# Allegro board reComputer J202_V1.0.brd (continued)
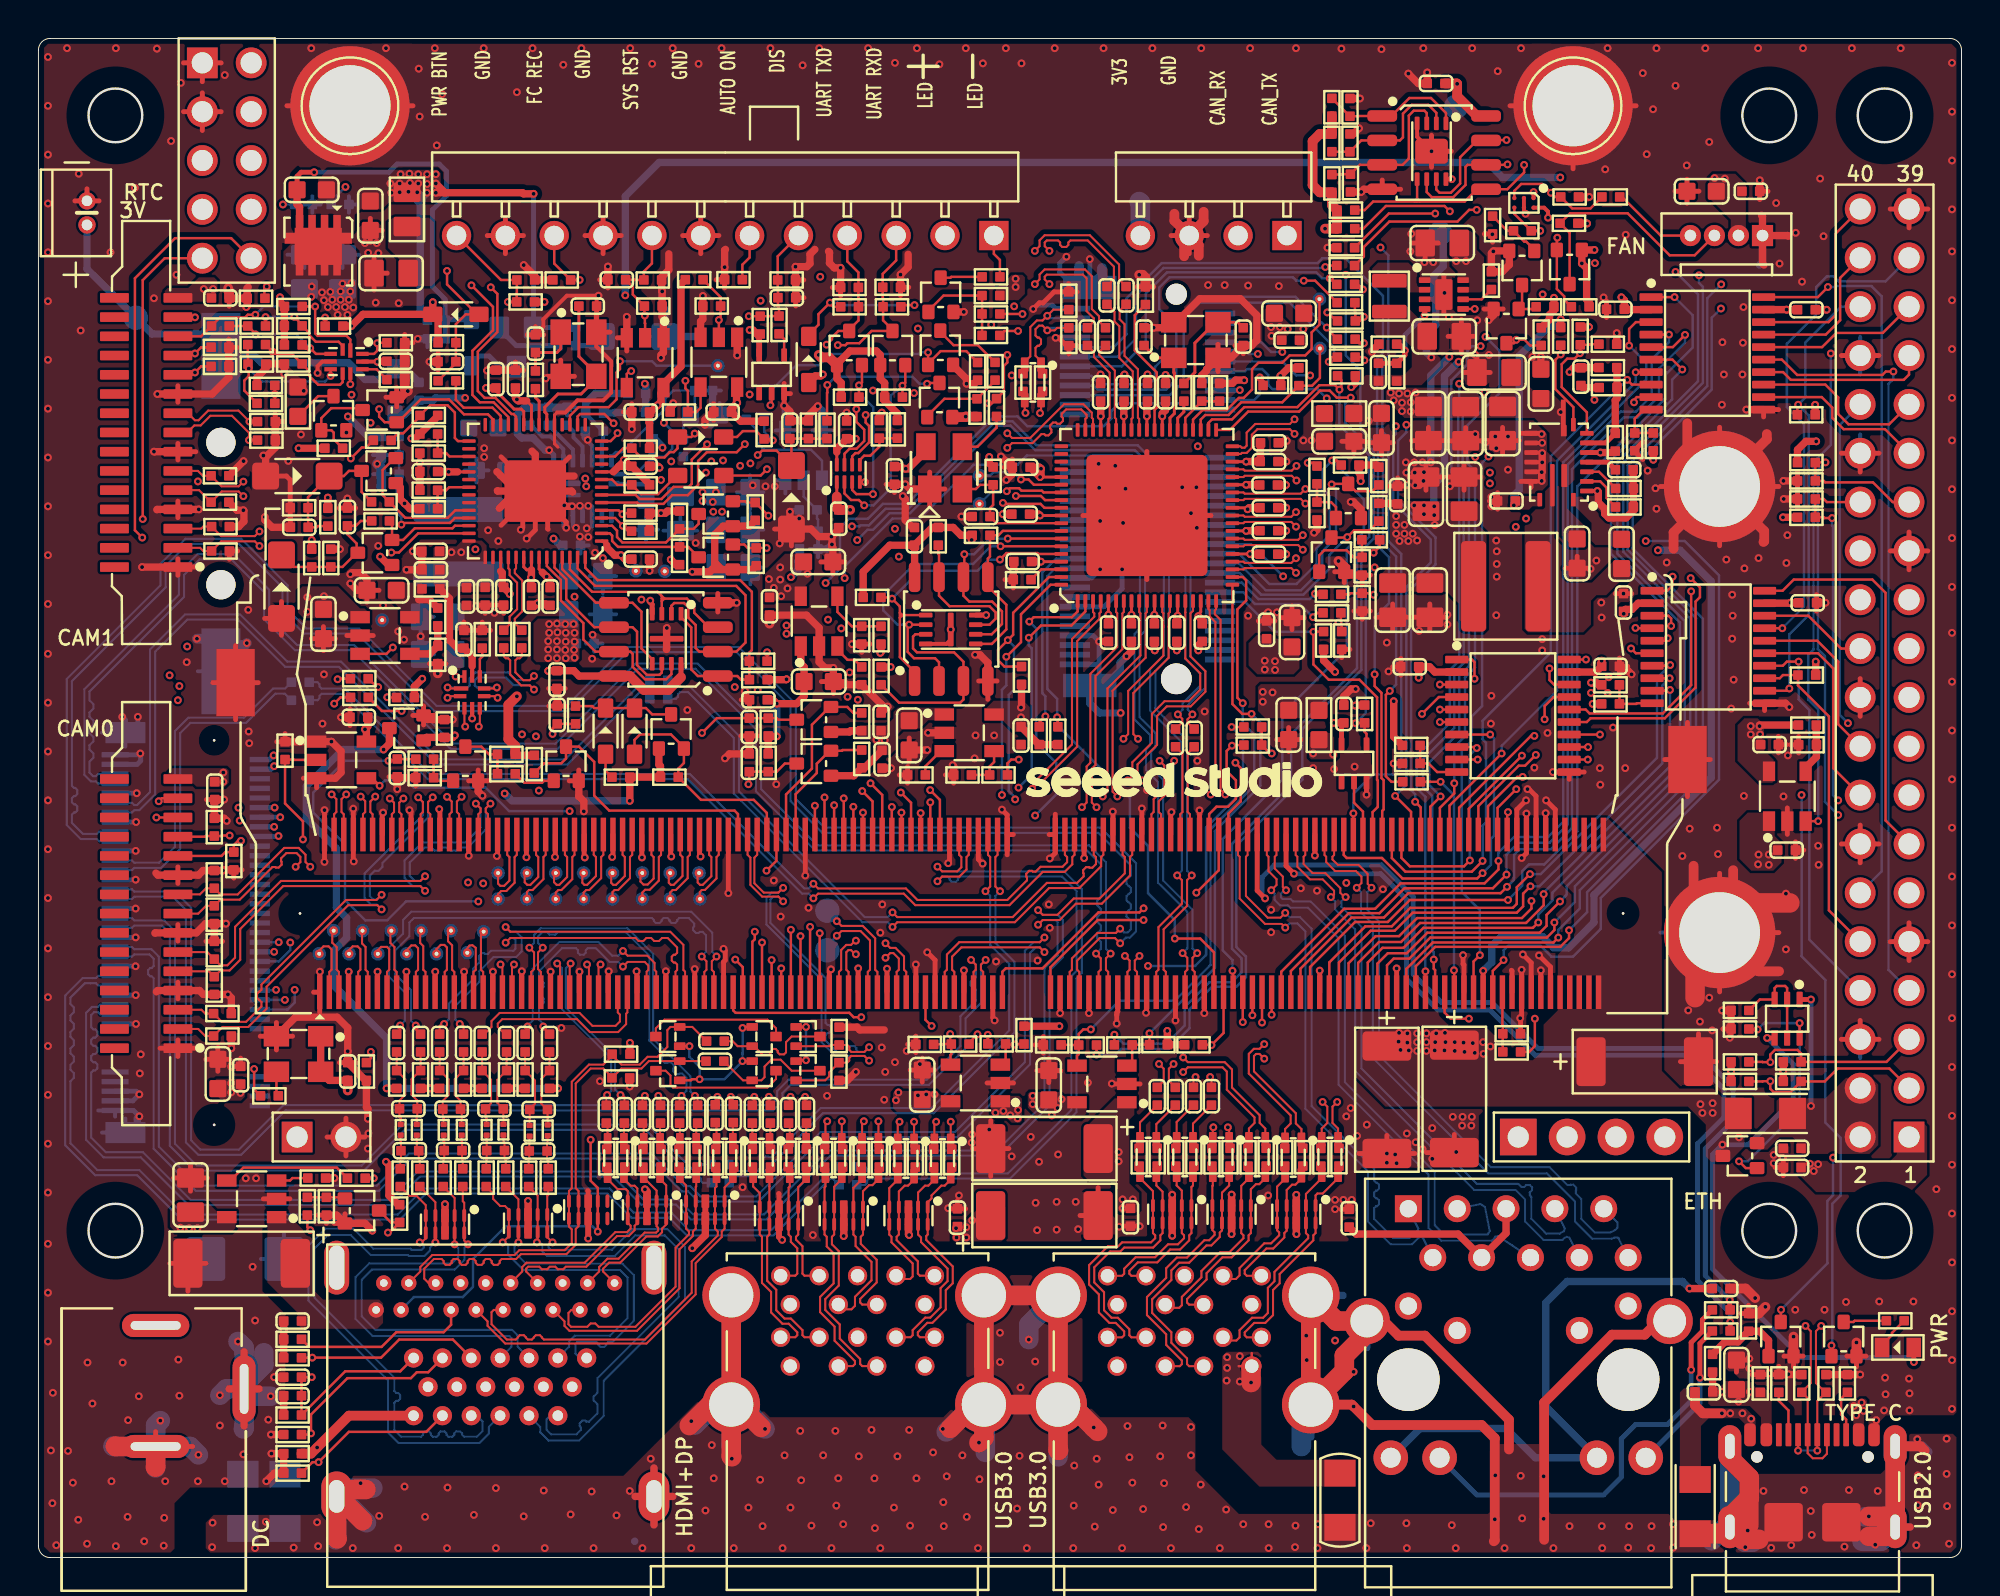
[diagram p0: board, top side]
## Copper pours and planes (outline as drawn; the poured copper is in the pictures) (continued)
GND on PWR05: 19.44,17.23 9.71,17.23 9.18,16.7 0.52,16.7 0.29,16.47 0.29,0.57 0.6,0.26 6.87,0.26 7.07,0.46 7.07,2.83 7.89,3.64 13.75,3.64 13.96,3.84 13.96,5.16 14.44,5.65 29.1,5.65 33.87,10.42 33.87,14.56 34.89,15.58 38.7,15.58 39.2,15.07 39.2,10.04 40.5,8.74 45.81,8.74 46.88,9.81 46.88,14.61 48.12,15.86 55.71,15.86 56.27,15.3 56.27,10.57 57.97,8.87 63.16,8.87 63.87,9.58 63.87,14.59 65.77,16.49 65.77,17.58 65.09,18.27 41.11,18.27 39.13,16.29 33.67,16.29 32.73,17.23 30.21,17.23 29.37,18.07 20.28,18.07 ; 2 cut-outs
GND_SHD on TOP: 75.48,2.37 75.48,5.52 75.86,5.9 78.37,5.9 78.52,5.75 78.52,2.39 78.65,2.27 84.77,2.27 85.1,1.94 88.07,1.94 89.27,3.13 89.27,4.17 89.45,4.35 95.8,4.35 96.58,5.14 96.58,6.03 96.99,6.43 99.55,6.43 99.73,6.26 99.73,0.54 99.45,0.26 8.93,0.26 8.7,0.49 8.7,1.81 9.11,2.22 14.52,2.22 14.72,2.42 14.72,3.66 15.3,4.25 30.42,4.25 34.58,8.41 36.92,8.41 38.04,7.3 47.05,7.3 48.25,8.49 48.25,13.14 49.8,14.69 52.95,14.69 54.29,13.34 54.29,8.21 55.21,7.3 59.8,7.3 60.16,6.94 60.16,4.53 62.42,2.27 75.37,2.27
GND_SHD on BOTTOM: 8.93,0.26 96.53,0.26 96.54,0.27 96.56,0.26 99.45,0.26 99.73,0.54 99.73,6.26 99.55,6.43 96.38,6.43 96.05,6.1 96.05,4.6 95.8,4.35 89.47,4.35 88.43,5.39 88.4,5.39 88.25,5.24 88.25,2.06 88.12,1.94 85.1,1.94 84.77,2.27 68.34,2.27 67.78,2.83 67.78,6.43 69.3,7.96 69.3,10.45 70.24,11.39 70.24,12.38 67.83,14.79 66.05,14.79 65.04,13.77 65.04,2.62 64.68,2.27 62.42,2.27 60.16,4.53 60.16,6.94 59.8,7.3 55.21,7.3 54.29,8.21 54.29,14 53.48,14.82 53.17,14.82 53.05,14.69 49.11,14.69 48.25,13.82 48.25,8.49 47.05,7.3 38.04,7.3 37.27,8.06 37.17,8.06 36.89,8.34 34.51,8.34 30.42,4.25 15.3,4.25 14.77,3.72 14.77,2.47 14.52,2.22 9.11,2.22 8.7,1.81 8.7,0.49
GND_SHD on GND02: 8.93,0.26 99.45,0.26 99.73,0.54 99.73,6.26 99.55,6.43 96.51,6.43 96.07,6 96.07,4.63 95.8,4.35 89.45,4.35 89.39,4.3 89.39,3.31 88.02,1.94 85.1,1.94 84.77,2.27 78.65,2.27 78.52,2.39 78.52,5.75 78.37,5.9 75.83,5.9 75.48,5.54 75.48,2.37 75.37,2.27 62.42,2.27 60.16,4.53 60.16,6.94 59.8,7.3 55.21,7.3 54.29,8.21 54.29,13.65 53.25,14.69 49.9,14.69 48.25,13.04 48.25,8.49 47.05,7.3 38.04,7.3 36.82,8.52 34.68,8.52 30.42,4.25 16.5,4.25 16.34,4.4 15.63,4.4 15.1,3.87 15.1,2.8 14.52,2.22 9.11,2.22 8.7,1.81 8.7,0.49
GND_SHD on LAY3: 8.93,0.26 99.45,0.26 99.73,0.54 99.73,6.26 99.55,6.43 96.48,6.43 96.23,6.18 96.23,4.78 95.8,4.35 89.45,4.35 89.37,4.27 89.37,3.13 88.18,1.94 85.1,1.94 84.77,2.27 78.65,2.27 78.52,2.39 78.52,5.82 78.45,5.9 75.86,5.9 75.48,5.52 75.48,2.37 75.37,2.27 62.42,2.27 60.16,4.53 60.16,6.94 59.8,7.3 55.21,7.3 54.29,8.21 54.29,13.44 53.05,14.69 49.69,14.69 48.25,13.24 48.25,8.49 47.05,7.3 38.04,7.3 36.82,8.52 34.68,8.52 30.42,4.25 16.5,4.25 16.34,4.4 15.63,4.4 15.1,3.87 15.1,2.8 14.52,2.22 9.11,2.22 8.7,1.81 8.7,0.49
GND_SHD on LAY4: 8.93,0.26 99.45,0.26 99.73,0.54 99.73,6.26 99.55,6.43 96.43,6.43 96.05,6.05 96.05,4.6 95.8,4.35 89.47,4.35 88.4,5.42 88.4,5.87 87.59,6.69 86.32,6.69 85.38,7.63 85.38,9.94 85.69,10.24 85.69,11.92 85.31,12.3 84.06,12.3 83.68,11.92 83.68,7.25 84.8,6.13 84.8,2.62 84.44,2.27 68.34,2.27 67.78,2.83 67.78,6.43 69.3,7.96 69.3,10.45 70.24,11.39 70.24,12.38 67.83,14.79 65.87,14.79 65.04,13.95 65.04,2.62 64.68,2.27 62.42,2.27 60.16,4.53 60.16,6.94 59.8,7.3 55.21,7.3 54.29,8.21 54.29,14.43 54.04,14.69 48.86,14.69 48.25,14.08 48.25,8.49 47.05,7.3 38.04,7.3 37.38,7.96 37.38,8.08 36.69,8.77 34.94,8.77 30.42,4.25 15.53,4.25 15.18,3.89 15.18,2.88 14.52,2.22 9.11,2.22 8.7,1.81 8.7,0.49
GND_SHD on PWR05: 8.93,0.26 99.45,0.26 99.73,0.54 99.73,6.26 99.55,6.43 96.41,6.43 96.05,6.08 96.05,4.6 95.8,4.35 89.47,4.35 88.35,5.47 88.28,5.47 88.23,5.42 88.23,2.04 88.12,1.94 85.1,1.94 84.77,2.27 68.34,2.27 67.78,2.83 67.78,6.43 69.3,7.96 69.3,10.45 70.24,11.39 70.24,12.38 67.83,14.79 66.81,14.79 65.04,13.01 65.04,2.62 64.68,2.27 62.42,2.27 60.16,4.53 60.16,6.94 59.8,7.3 55.21,7.3 54.29,8.21 54.29,13.57 53.17,14.69 49.47,14.69 48.25,13.47 48.25,8.49 47.05,7.3 38.04,7.3 36.82,8.52 34.68,8.52 30.42,4.25 16.5,4.25 16.34,4.4 15.63,4.4 15.1,3.87 15.1,2.8 14.52,2.22 9.11,2.22 8.7,1.81 8.7,0.49
VCC_3V3_SQ1 on BOTTOM: 27.06,52.36 27.32,52.36 27.47,52.51 27.47,52.69 26.68,53.47 26.68,54.59 26.61,54.67 26.33,54.67 26.25,54.59 26.25,53.17
VCC_3V3_SQ2 on TOP: 76.54,55.1 76.54,54.59 76.64,54.49 77.51,54.49 77.69,54.67 78.04,54.67 78.14,54.77 78.14,55 77.94,55.2 76.64,55.2
VDD_1V05 on TOP: 69.61,65.08 71.13,65.08 71.97,64.24 72.48,64.24 72.66,64.07 72.66,62.62 72.91,62.36 72.91,61.96 71.92,60.97 70.07,60.97 69.94,60.84 69.94,60.13 70.24,59.82 70.24,59.19 69.94,58.88 68.24,58.88 68.01,59.11 68.01,60.03 68.19,60.21 68.39,60.21 68.39,60.87 69.02,61.5 71.01,61.5 71.41,61.91 71.41,62.95 70.9,63.46 69.66,63.46 69.46,63.66 69.46,64.93
VDD_1V05 on LAY3: 68.92,59.14 69.13,59.34 69.4,59.34 70.57,58.17 72.1,58.17 72.43,58.5 72.43,61.86 72.2,62.08 72.2,62.57 72.33,62.69 72.91,62.69 73.52,62.08 73.52,58.05 72.76,57.28 69.79,57.28 68.92,58.15
VDD_1V05_HUB on TOP: 67.02,57.56 67.3,57.84 67.3,59.57 66.97,59.9 66.36,59.9 65.77,59.32 65.77,58.43 65.47,58.12 65.47,57.69 65.59,57.56
VDD_1V05_HUB on BOTTOM: 62.52,57.26 62.52,53.27 62.75,53.04 64.35,53.04 64.66,53.35 64.66,56.47 65.42,57.23 66.41,57.23 66.66,57.49 66.66,59.39 66.65,59.41 66.65,59.99 66.26,60.38 63.74,60.38 62.75,59.39 59.42,59.39 59.12,59.7 56.32,59.7 56.12,59.49 56.12,58.5 56.4,58.22 57.09,58.22 57.77,57.54 62.24,57.54
VDD_1V05_HUB on LAY4: 54.6,48.75 59.35,48.75 59.55,48.95 59.55,49.54 63.08,53.07 63.08,54.62 62.98,54.72 52.06,54.72 51.68,54.34 51.68,52.84 53.78,50.73 53.78,49.56
VDD_1V8 on TOP: 90.23,40.37 90.23,41.49 89.72,41.99 89.72,43.31 89.39,43.64 88.71,43.64 88.35,43.29 88.35,41.43 89.5,40.29 90.16,40.29
VDD_1V8 on TOP: 49.97,65.39 50.96,65.39 51.29,65.72 51.29,66.58 51.17,66.71 50.61,66.71 50.46,66.56 50.46,66.33 50.3,66.17 49.97,66.17 49.8,66 49.8,65.56
VDD_1V8 on LAY3: 95.52,42.48 81.06,42.48 80.28,43.26 80.28,47.91 81.67,49.31 88.28,49.31 90.49,51.52 90.49,57.74 89.52,58.71 86.07,58.71 84.14,56.78 83.25,56.78 82.66,57.36 82.66,63.71 80.1,66.28 80.1,68.13 80.4,68.43 85.41,68.43 86.07,67.77 92.39,67.77 96.68,63.48 96.68,43.64
VDD_1V8 on LAY4: 72.55,48.57 71.89,47.91 70.07,47.91 68.64,46.49 65.34,46.49 65.01,46.16 65.01,43.59 65.57,43.03 69.38,43.03 72.4,46.06 74.79,46.06 76.95,43.9 81.6,43.9 81.93,44.23 81.93,45.85 79.21,48.57
VDD_1V8 on LAY4: 81.88,66.96 79.92,66.96 79.51,67.37 79.51,68.66 79.16,69.02 78.57,69.02 76.9,67.34 71.03,67.34 69.96,68.41 66.94,68.41 65.34,70.01 57.06,70.01 55.83,68.78 55.83,67.43 54.22,65.82 50.61,65.82 50.48,65.95 50.48,72.17 55.43,77.12 73.9,77.12 74.33,76.69 74.33,72.14 72.25,70.06 72.25,69.78 72.48,69.55 73.47,69.55 75.4,71.48 81.8,71.48 82.36,70.92 82.36,67.44
VDD_3V3_DP on TOP: 17.72,13.42 14.79,13.42 14.29,13.93 14.29,16.52 12.79,18.02 12.1,18.02 11.9,17.81 11.9,14.31 13.47,12.73 13.47,12.12 13.7,11.89 17.61,11.89 17.92,12.2 17.92,13.22
VDD_3V3_HDMI on TOP: 47.41,44.2 44.69,44.2 44.46,43.97 44.46,43.64 44.11,43.29 42.73,43.29 42.58,43.14 42.58,42.7 42.73,42.55 43.19,42.55 43.45,42.3 43.45,41.92 43.62,41.74 44.28,41.74 44.59,42.04 44.59,42.73 44.97,43.11 45.83,43.11 46.27,43.54 47.38,43.54 47.59,43.75 47.59,44.03
VDD_3V3_HUB on TOP: 66.76,45.42 63.56,45.42 63.41,45.27 63.41,44.03 63.79,43.64 66.84,43.64 67.02,43.82 67.02,45.17
VDD_3V3_HUB on BOTTOM: 52.23,51.54 51.5,51.54 51.29,51.75 51.29,55.1 51.55,55.35 51.55,56.62 51.75,56.83 52.56,56.83 52.72,56.67 52.72,52.03
VDD_3V3_HUB on LAY3: 60.11,49.11 60.11,48.8 60.21,48.7 60.49,48.7 61.81,47.38 61.81,45.17 62.85,44.13 64.4,44.13 64.68,44.41 64.68,49.61 63.82,50.48 63.82,60.69 63.11,61.4 59.45,61.4 58.23,60.18 58.23,59.11 60.11,57.23 60.11,51.57 60.69,50.99 60.69,49.69
VDD_3V3_HUB on LAY4: 64.4,45.4 62.67,45.4 62.27,44.99 62.27,44.38 63.46,43.19 64.58,43.19 64.78,43.39 64.78,45.02
VDD_3V3_HUB on LAY4: 51.96,55.96 57.92,55.96 59.22,57.26 60.34,57.26 60.54,57.46 60.54,59.21 60.21,59.54 58.2,59.54 57.37,58.71 53.3,58.71 51.83,57.23 51.83,56.09
VDD_3V3_SYS on TOP: 6.82,65.31 8.98,65.31 9.23,65.56 9.23,65.77 9.31,65.84 9.31,66.4 9.13,66.58 8.34,66.58 7.78,66.02 6.72,66.02 6.57,65.87 6.57,65.56
VDD_3V3_SYS on TOP: 65.34,47.78 64.38,47.78 64.2,47.96 63.33,47.96 62.93,47.56 62.93,46.39 63.39,45.93 65.26,45.93 65.57,46.24 65.57,47.56
VDD_3V3_SYS on TOP: 10.17,18.02 9.26,18.02 8.85,18.42 7.2,18.42 6.84,18.07 6.84,17.2 7.12,16.92 10.05,16.92 10.25,17.13 10.25,17.94
VDD_3V3_SYS on TOP: 66.31,42.88 67.14,42.88 67.37,42.65 67.37,42.04 67.55,41.87 67.55,41.64 67.42,41.51 66.18,41.51 66.08,41.61 66.08,42.65
VDD_3V3_SYS on TOP: 64.76,63.08 63.99,63.08 63.77,63.3 63.77,64.9 64.02,65.16 64.63,65.16 64.73,65.06 64.73,64.47 65.16,64.04 65.16,63.76 64.91,63.51 64.91,63.23
VDD_3V3_SYS on TOP: 73.49,68.79 73.49,67.19 73.8,66.89 73.8,66.38 73.88,66.3 74.38,66.3 74.41,66.28 74.41,66.1 74.38,66.07 73.85,66.07 73.8,66.02 73.8,65.84 73.85,65.79 74.99,65.79 75.17,65.97 75.17,67.62 74.79,68 74.79,68.66 74.46,68.99 73.7,68.99
VDD_3V3_SYS on TOP: 10.58,24.9 9.26,24.9 9,24.65 9,24.29 9.54,23.76 10.53,23.76 10.73,23.96 10.73,24.75
VDD_3V3_SYS on TOP: 13.93,60.43 13.04,60.43 12.76,60.71 12.76,61.2 12.56,61.4 11.57,61.4 11.47,61.5 11.47,61.7 11.59,61.83 11.59,62.11 11.75,62.26 12.86,62.26 13.02,62.11 13.02,61.93 14.03,60.92 14.03,60.54
VDD_3V3_SYS on TOP: 96.3,20.63 96.63,20.96 96.63,22.44 96.86,22.66 97.95,22.66 98.21,22.41 98.21,19.9 97.32,19.01 92.44,19.01 91.4,20.05 91.4,20.53 91.5,20.63
VDD_3V3_SYS on TOP: 9.77,41.05 6.97,41.05 6.77,40.85 6.77,40.49 7.02,40.24 8.06,40.24 8.22,40.09 9.69,40.09 9.89,40.29 9.89,40.93
VDD_3V3_SYS on TOP: 75.12,48.11 74.54,48.11 73.88,48.78 73.88,49.59 73.24,50.22 70.17,50.22 69.84,50.55 69.84,51.16 70.27,51.59 70.27,54.82 70.4,54.95 74.76,54.95 74.97,54.74 74.97,53.6 75.3,53.27 75.3,48.29
VDD_3V3_SYS on TOP: 51.55,43.11 51.55,44.23 51.22,44.56 49.67,44.56 49.24,44.13 49.24,43.77 49.49,43.52 50.15,43.52 50.74,42.93 51.37,42.93
VDD_3V3_SYS on TOP: 90.03,38.74 88.89,38.74 88.45,38.31 88.45,36.33 89.06,35.72 90.21,35.72 90.64,36.15 90.64,37.17 90.28,37.52 90.28,38.49
VDD_3V3_SYS on BOTTOM: 13.04,41.94 10.07,41.94 9.77,41.64 9.26,41.64 9.11,41.49 9.11,37.73 9.77,37.07 12.92,37.07 13.32,37.47 13.32,41.66
VDD_3V3_SYS on BOTTOM: 73.52,67.27 73.52,69.45 73.09,69.88 58.36,69.88 58.08,69.6 58.08,68.13 57.92,67.98 56.78,67.98 56.58,68.18 56.58,71.08 57.59,72.09 74.79,72.09 75.75,71.13 75.75,69.73 75.2,69.17 75.2,67.32 74.97,67.09 73.7,67.09
VDD_3V3_SYS on BOTTOM: 61,46.84 62.24,46.84 62.29,46.9 62.29,47.02 62.27,47.05 60.82,47.05 60.72,47.15 60.72,47.25 60.79,47.33 64.45,47.33 64.63,47.15 64.63,46.08 64.4,45.85 61.45,45.85 60.9,46.41 60.9,46.74
VDD_3V3_SYS on BOTTOM: 70.75,54.39 70.5,54.39 70.34,54.24 70.34,52.92 70.75,52.51 71.64,52.51 71.89,52.76 71.89,53.25
VDD_3V3_SYS on BOTTOM: 62.29,64.07 60.82,64.07 60.74,64.14 60.74,64.27 60.82,64.35 62.24,64.35 62.27,64.37 62.27,64.52 62.24,64.55 60.79,64.55 60.69,64.65 60.69,64.96 60.74,65.01 64.96,65.01 65.32,64.65 65.32,63.28 65.09,63.05 63.89,63.05 63.44,63.51 62.85,63.51
VDD_3V3_SYS on BOTTOM: 11.77,24.62 10.98,24.62 10.65,24.95 9.77,24.95 9.61,24.8 9.61,23.76 10.25,23.12 11.77,23.12 11.92,23.27 11.92,23.55 11.85,23.63 11.01,23.63 10.98,23.65 10.98,23.86 11.01,23.88 11.82,23.88 11.9,23.96 11.9,24.06 11.82,24.14 11.01,24.14 10.98,24.16 10.98,24.34 11.01,24.37 11.77,24.37 11.85,24.44 11.85,24.54
VDD_3V3_SYS on BOTTOM: 72.66,54.97 71.46,54.97 71.34,54.85 71.34,54.57 72.43,53.47 72.71,53.47 72.83,53.6 72.83,54.8
VDD_3V3_SYS on LAY4: 72.53,54.9 70.7,54.9 70.17,54.36 70.17,52.99 70.57,52.59 71.94,52.59 72.94,53.58 72.94,54.49
VDD_3V3_SYS on LAY4: 62.17,46.77 64.5,46.77 64.71,46.57 64.71,45.85 64.48,45.63 62.09,45.63 61.91,45.8 61.91,46.51
VDD_3V3_SYS on PWR05: 2.43,71.74 1.03,70.34 1.03,20.91 2.27,19.67 5.04,19.67 6.62,18.09 6.62,17.13 6.87,16.87 8.98,16.87 9.51,17.41 19.37,17.41 20.38,18.42 29.37,18.42 30.34,17.46 32.8,17.46 33.79,16.47 39.05,16.47 41.03,18.45 66.48,18.45 70.4,14.54 83.78,14.54 88.79,19.54 93.26,19.54 98.89,25.18 98.89,70.47 97.73,71.64 89.22,71.64 88.58,71 88.58,26.5 87.44,25.36 71.16,25.36 70.07,26.45 70.07,48.7 72.86,51.49 72.86,61.42 64.86,69.43 57.09,69.43 48.27,60.61 48.27,48.75 47.1,47.58 30.37,47.58 28.94,46.16 19.11,46.16 16.83,48.45 14.13,48.45 13.42,49.16 13.42,56.24 12.84,56.83 12.84,57.87 13.25,58.27 16.85,58.27 17.18,58.61 17.18,61.42 18.2,62.44 18.2,71.56 18.02,71.74
VDD_5V_GPIO on TOP: 92.93,23.88 90.51,23.88 90.39,23.76 90.39,23.15 89.01,21.78 89.01,21.37 89.17,21.22 89.9,21.22 90.54,21.85 91.22,21.85 91.43,21.65 91.43,21.27 91.71,20.99 95.21,20.99 95.67,21.44 95.67,24.59 95.31,24.95 93.99,24.95
VDD_5V_SYS on TOP: 39.64,49.77 38.01,49.77 37.78,49.99 37.78,51.16 38.82,52.2 39.94,52.2 40.19,51.95 40.19,50.86 39.89,50.55 39.89,50.02
VDD_5V_SYS on TOP: 81.34,38.46 81.6,38.46 84.42,35.64 84.42,25.31 85.33,24.39 87.08,24.39 87.54,23.93 88.66,23.93 89.04,23.55 89.04,22.13 88.99,22.13 88.71,21.85 88.71,21.37 87.92,20.58 86.98,20.58 86.7,20.86 86.7,22.51 85.76,23.45 70.04,23.45 68.52,24.98 68.52,27.34 68.69,27.52 75.35,27.52 75.73,27.13 75.73,26.02 75.88,25.86 77.71,25.86 78.27,26.42 78.27,27.72 79.01,28.46 79.01,31.35 79.84,32.19 79.84,34.53 79.26,35.11 79.26,38.44 79.29,38.46 79.49,38.46 79.51,38.44 79.51,36.71 79.54,36.68 79.72,36.68 79.74,36.71 79.74,38.44 79.77,38.46 79.95,38.46 80,38.41 80,36.71 80.02,36.68 80.23,36.68 80.25,36.71 80.25,38.41 80.3,38.46 80.43,38.46 80.5,38.39 80.5,36.71 80.53,36.68 80.73,36.68 80.76,36.71 80.76,38.41 80.78,38.44 80.96,38.44 81.01,38.39 81.01,36.71 81.04,36.68 81.22,36.68 81.24,36.71 81.24,38.36
VDD_5V_SYS on TOP: 46.7,24.26 44.54,24.26 44.44,24.16 44.44,23.38 44.64,23.17 47.76,23.17 47.94,23.35 47.94,23.88 47.79,24.04 46.93,24.04
VDD_5V_SYS on TOP: 88.79,68.64 88.79,71.41 88.23,71.97 87.08,71.97 86.88,71.76 86.88,70.7 88,69.58 88,68.66 88.2,68.46 88.61,68.46
VDD_5V_SYS on TOP: 17.06,48.6 15.68,48.6 15.43,48.85 13.78,48.85 13.5,49.13 13.5,50.27 13.73,50.5 15.58,50.5 16.73,49.36 16.95,49.36 17.18,49.13 17.18,48.72
VDD_5V_SYS on TOP: 53.07,24.21 51.55,24.21 51.45,24.11 51.45,23.4 52.03,22.82 54.22,22.82 54.5,23.1 54.5,23.83 54.34,23.98 53.3,23.98
VDD_5V_SYS on TOP: 27.88,48.83 25.97,48.83 25.74,48.6 25.74,46.72 25.89,46.57 27.95,46.57 28.13,46.74 28.13,48.57
VDD_5V_SYS on BOTTOM: 86.98,22.71 86.14,22.71 85.46,23.4 76.69,23.4 74.54,25.56 71.39,25.56 70.55,26.4 70.55,27.49 70.88,27.82 75.73,27.82 77.69,25.86 85.69,25.86 87.34,24.21 87.34,23.07
VDD_5V_SYS on BOTTOM: 27.6,51.75 20.18,51.75 19.77,51.34 19.77,50.6 20.26,50.12 20.94,50.12 21.2,49.87 21.2,47.07 21.73,46.54 27.93,46.54 28.13,46.74 28.13,51.21
VDD_5V_SYS on GND02: 27.98,48.8 26.38,48.8 26.22,48.65 26.22,46.64 26.35,46.51 28,46.51 28.13,46.64 28.13,48.65
VDD_5V_SYS on GND02: 71.01,27.06 70.73,27.06 70.57,26.91 70.57,26.27 70.8,26.04 75.63,26.04 75.81,26.22 75.81,26.75 75.07,27.49 71.21,27.49 71.11,27.39 71.11,27.16
VDD_5V_SYS on GND02: 38.87,51.65 38.16,51.65 37.71,51.19 37.71,50.6 38.52,49.79 38.92,49.79 39.28,50.15 39.28,51.24
VDD_5V_SYS on LAY4: 26.48,46.46 39.46,46.46 40.37,47.38 40.37,51.39 40.02,51.75 35.14,51.75 33.57,50.17 27.67,50.17 27.43,49.93 27.43,49.68 25.97,48.22 25.97,46.97
VDD_5V_SYS on LAY4: 48.22,23.6 47.87,23.25 44.56,23.25 44.36,23.45 44.36,24.82 44.61,25.08 63.54,25.08 66.03,27.57 73.16,27.57 73.72,27.01 85.33,27.01 87.44,24.9 88.35,24.9 88.73,24.52 88.73,21.24 88.3,20.81 87.03,20.81 86.8,21.04 86.8,22.05 85.46,23.4 72.63,23.4 70.9,21.67 53.15,21.67 51.22,23.6
VDD_5V_SYS on PWR05: 78.22,71.91 87.85,71.91 88.33,71.43 88.33,26.68 87.29,25.64 71.26,25.64 70.32,26.58 70.32,48.5 73.11,51.29 73.11,61.78 64.96,69.93 56.86,69.93 47.97,61.04 47.97,49.13 46.67,47.84 30.24,47.84 28.82,46.41 19.19,46.41 16.98,48.62 14.19,48.62 13.65,49.16 13.65,56.29 13.25,56.7 13.25,57.84 13.45,58.05 16.93,58.05 17.23,57.74 17.23,51.9 17.54,51.59 26.89,51.59 27.37,51.11 27.37,49.74 27.55,49.56 28.05,49.56 29.63,51.14 31.15,51.14 34.25,54.24 34.25,60.23 33.06,61.42 25.79,61.42 25.34,61.88 25.34,75.9 26.61,77.17 72.96,77.17
VDD_DCIN on TOP: 16.09,68.38 13.19,68.38 12.74,67.93 12.74,65.97 13.14,65.56 14.36,65.56 14.64,65.29 14.64,64.75 15,64.4 16.17,64.4 16.57,64.8 16.57,67.9
VDD_DCIN on TOP: 79.21,53.14 79.21,56.93 78.57,57.56 78.57,58.48 77.79,59.27 71.03,59.27 70.07,60.23 70.07,60.66 70.24,60.84 73.52,60.84 73.65,60.71 75.86,60.71 76.09,60.94 76.09,62.08 76.36,62.36 77.23,62.36 77.38,62.21 77.38,61.04 77.71,60.71 78.55,60.71 79.44,59.82 79.44,58.17 79.87,57.74 79.87,56.04 79.49,55.66 79.49,54.57 80.4,53.65 80.4,52.84 80.1,52.53 79.82,52.53
VDD_DCIN on BOTTOM: 12.94,66.33 12.94,65.59 13.22,65.31 14.54,65.31 14.64,65.21 14.64,64.78 15.05,64.37 16.34,64.37 16.57,64.6 16.57,66.38 16.47,66.48 13.09,66.48
VDD_DCIN on BOTTOM: 32.85,57.31 32.6,57.06 32.6,56.45 32.5,56.34 31.46,56.34 31.28,56.17 30.8,56.17 30.59,55.96 29.65,55.96 29.27,56.34 27.14,56.34 26.81,56.01 25.84,56.01 24.85,57 23.99,57 23.84,56.85 23.84,56.01 24.27,55.58 26.91,55.58 27.06,55.73 28.18,55.73 29.27,54.64 34.23,54.64 34.68,54.19 34.68,51.04 34.91,50.81 35.83,50.81 36.03,51.01 36.03,56.09 36.46,56.52 37.02,56.52 37.27,56.78 37.27,57.18 37.15,57.31
VDD_DCIN on GND02: 16.5,66.45 14.13,66.45 13.83,66.15 13.83,65.31 14.92,64.22 16.47,64.22 16.73,64.47 16.73,66.23
VDD_DCIN on GND02: 71.69,60.87 70.24,60.87 70.07,60.69 70.07,60.15 70.83,59.39 71.56,59.39 71.84,59.67 71.84,60.71
VDD_DCIN on LAY3: 37.27,53.68 37.27,60.66 37.15,60.79 34.99,60.79 34.33,60.13 33.01,60.13 32.4,59.52 31.41,59.52 30.62,58.73 30.62,58.25 30.37,58 29.76,58 29.5,58.25 29.5,59.16 37.3,66.96 47.87,66.96 50.76,69.86 63.64,69.86 64.48,69.02 64.48,60.28 65.29,59.47 69.46,59.47 70.62,58.3 72.05,58.3 72.3,58.55 72.3,61.81 72.07,62.03 72.07,62.64 72.76,63.33 72.76,73.01 70.57,75.19 23.38,75.19 21.55,73.36 21.55,69.3 20.54,68.28 14.85,68.28 13.91,67.34 13.91,65.56 14.67,64.8 15.05,64.8 17.54,62.31 17.54,53.63 17.74,53.42 20.33,53.42 20.66,53.09 20.66,52.41 20.79,52.28 35.88,52.28
VDD_DCIN on LAY4: 15.99,66.38 14.24,66.38 14.03,66.17 14.03,65.26 14.41,64.88 16.42,64.88 16.57,65.03 16.57,65.79
VDD_DCIN on LAY4: 71.92,60.89 69.91,60.89 69.76,60.74 69.76,60.28 70.65,59.39 72.25,59.39 72.4,59.54 72.4,60.41
VDD_DCIN on PWR05: 16.47,66.53 14.26,66.53 13.91,66.17 13.91,65.41 14.92,64.4 16.24,64.4 16.75,64.9 16.75,66.25
VDD_VBUS_A on TOP: 49.8,24.01 50.99,24.01 51.14,23.86 51.14,22.71 51.04,22.61 50.61,22.61 50.38,22.84 49.8,22.84 49.54,23.1 49.54,23.76
VDD_VBUS_A on TOP: 47.69,17.43 48.15,17.43 49.21,18.5 50,18.5 50.28,18.22 50.28,16.64 50.08,16.44 47.61,16.44 47.51,16.54 47.51,17.25
VDD_VBUS_A on LAY4: 48.6,23.43 41.16,15.98 39.05,15.98 38.19,15.12 38.19,9.66 38.95,8.9 44.11,8.9 47,11.79 47,15.09 51.14,19.24 51.14,23.32 51.04,23.43
VDD_VBUS_B on TOP: 55.97,23.88 56.83,23.88 56.98,23.73 56.98,23.02 56.73,22.77 56.73,19.46 57.24,18.96 57.24,18.09 57.09,17.94 56.25,17.94 56.12,18.07 56.12,19.16 55.71,19.57 54.65,19.57 54.34,19.87 54.34,22.26
VDD_VBUS_B on LAY4: 57.06,21.47 55.69,21.47 55,20.78 55,15.25 55.16,15.09 55.16,9.84 55.99,9 60.97,9 61.43,9.46 61.43,14.33 57.72,18.04 57.72,20.81
(no net) on TOP: 0.49,78.72 99.48,78.72 99.73,78.47 99.73,7.55 99.58,7.4 90.36,7.4 87.08,10.68 87.08,22.13 85.76,23.45 75.37,23.45 74.89,22.97 74.89,20.56 74.61,20.28 68.82,20.28 68.52,19.97 68.52,16.7 68.26,16.44 33.77,16.44 32.98,17.23 11.75,17.23 11.32,16.8 11.32,12.91 12.43,11.79 12.43,4 12.08,3.64 7.89,3.64 7.07,2.83 7.07,0.46 6.87,0.26 0.6,0.26 0.29,0.57 0.29,78.52 ; 59 cut-outs
(no net) on BOTTOM: 0.49,78.72 99.48,78.72 99.73,78.47 99.73,7.55 99.58,7.4 90.36,7.4 87.08,10.68 87.08,14.74 85.38,16.44 81.7,16.44 78.12,20.02 68.92,20.02 68.8,19.9 68.8,16.72 68.52,16.44 33.62,16.44 32.83,17.23 14.64,17.23 13.73,16.31 13.73,4.43 12.97,3.66 7.91,3.66 7.07,2.83 7.07,0.46 6.87,0.26 0.6,0.26 0.29,0.57 0.29,78.52 ; 63 cut-outs
(no net) on LAY4: 99.48,78.72 0.49,78.72 0.29,78.52 0.29,0.57 0.6,0.26 6.87,0.26 7.07,0.46 7.07,2.83 7.89,3.64 12.31,3.64 12.56,3.89 12.56,16.67 14.11,18.22 57.97,18.22 58.33,17.86 68.21,17.86 68.54,18.19 68.54,19.82 69,20.28 74.64,20.28 74.76,20.4 74.76,22.71 75.5,23.45 85.69,23.45 87.79,21.34 87.79,9.68 89.27,8.21 99.2,8.21 99.73,8.74 99.73,78.47 ; 61 cut-outs
BBAT_CONN on BOTTOM: 4.66,63.38 4.66,64.27 5.35,64.96 10.58,64.96 11.01,64.52 11.01,60.23 10.6,59.82 8.22,59.82
DCJ_IN on TOP: 18.25,70.49 17.87,70.11 16.73,70.11 16.45,69.83 16.45,69.02 16.22,68.79 15.53,68.79 15.35,68.97 15.35,69.83 15.3,69.88 15.1,69.88 15.05,69.83 15.05,68.82 14.97,68.74 14.74,68.74 14.69,68.79 14.69,69.86 14.67,69.88 14.44,69.88 14.41,69.86 14.41,68.82 14.34,68.74 14.11,68.74 14.03,68.82 14.03,70.16 14.54,70.67 14.54,71.66 15.05,72.17 20.74,72.17 20.92,71.99 20.92,70.75 20.66,70.49
DCJ_IN on BOTTOM: 9.54,16.36 7.35,16.36 4.36,13.37 4.36,12.07 5.02,11.41 8.65,11.41 9.87,12.63 9.87,16.03
DCJ_IN on BOTTOM: 20.79,72.14 18.55,72.14 18.07,71.66 18.07,70.95 18.25,70.77 20.79,70.77 20.92,70.9 20.92,72.02
DCJ_IN on GND02: 18.07,71.66 18.07,70.95 18.25,70.77 20.79,70.77 20.92,70.9 20.92,72.02 20.79,72.14 18.55,72.14
DCJ_IN on LAY3: 0.82,71.91 1.79,72.88 20.18,72.88 21.02,72.04 21.02,69.55 20.13,68.66 14.62,68.66 13.3,67.34 13.3,65.59 12.69,64.98 6.79,64.98 5.35,63.53 5.35,38.29 7.15,36.48 7.15,35.34 14.26,28.23 14.26,19.87 11.39,17 11.39,13.24 9.51,11.36 1.97,11.36 0.82,12.5
DCJ_IN on LAY4: 20.79,71.69 18.15,71.69 18.02,71.56 18.02,70.72 18.15,70.59 20.76,70.59 20.92,70.75 20.92,71.56
DCJ_IN on PWR05: 18.1,70.9 18.4,70.59 20.76,70.59 20.92,70.75 20.92,72.02 20.79,72.14 18.38,72.14 18.1,71.86
LX_SQ1 on BOTTOM: 27.85,55.35 23.99,55.35 23.63,55.71 22.34,55.71 21.96,56.09 21.96,57.82 22.26,58.12 22.59,58.12 22.82,58.35 22.82,59.21 22.52,59.52 21.83,59.52 19.9,57.59 19.9,57 19.44,56.55 19.44,54.26 19.9,53.8 25.18,53.8 25.82,54.44 25.82,54.77 25.95,54.9 26.91,54.9 27.16,55.15 27.85,55.15 27.93,55.23 27.93,55.28
LX_SQ2 on TOP: 78.78,56.83 78.7,56.83 78.63,56.75 78.63,55.73 78.35,55.46 78.35,54.62 78.24,54.52 77.86,54.52 77.28,53.93 77.28,48.29 77.46,48.11 80.33,48.11 80.73,48.52 80.73,49.77 81.01,50.05 81.52,50.05 82.21,50.73 82.59,50.73 82.82,50.96 82.82,51.57 82.56,51.82 81.9,51.82 80.78,50.71 79.46,50.71 79.21,50.96 79.21,52.64 78.83,53.02 78.83,56.78
SW_1V05 on TOP: 72.28,66.07 71.77,66.07 71.69,66.15 71.69,66.89 71.23,67.34 69.66,67.34 69.35,67.04 69.35,66.25 69.56,66.05 71.06,66.05 71.31,65.79 72.28,65.79 72.33,65.84 72.33,66.02
N27061287 on TOP: 94.04,7.53 94.04,7.96 94.27,8.19 94.65,8.19 94.73,8.26 94.98,8.26 95.08,8.16 95.08,7.55 94.93,7.4 94.93,6 94.78,5.85 94.45,5.85 94.37,5.93 94.37,7.2
N27061287 on TOP: 89.75,8.82 89.32,8.82 88.96,9.18 87.74,9.18 87.46,8.9 86.96,8.9 86.83,8.77 86.83,8.01 86.96,7.88 88.99,7.88 89.57,7.3 89.57,6.15 89.67,6.05 89.98,6.05 90.13,6.2 90.13,8.44
N27061287 on BOTTOM: 87.29,8.67 87.54,8.92 94.65,8.92 95.01,8.57 95.01,6.18 94.65,5.82 89.65,5.82 89.22,6.26 89.22,7.42 88.99,7.65 87.69,7.65 87.29,8.06
N27079470 on TOP: 18.17,68.1 18.76,67.52 18.76,66.48 19.11,66.12 20.43,66.12 20.84,66.53 20.84,67.93 20.56,68.21 20.56,69.43 20.31,69.68 18.43,69.68 18.17,69.43
N27096429 on BOTTOM: 26.48,56.29 26.48,56.8 25.5,57.78 24.76,57.78 24.35,58.2 24.35,59.04 24.19,59.19 23.63,59.19 23.48,59.04 23.48,58.02 23.68,57.82 23.68,57.49 23.94,57.23 25.11,57.23 26.07,56.27 26.45,56.27
N27099474 on TOP: 79.82,55.18 80.25,55.18 82.03,53.4 82.54,53.4 82.74,53.19 82.74,52.76 82.54,52.56 81.85,52.56 81.75,52.66 80.96,52.66 80.76,52.86 80.76,53.8 79.72,54.85 79.72,55.07

## Text on the board
Ref Des/Silkscreen Bottom: SWCLK | SWDIO | 3V3 | GND | SEL | RX | BOOT | RST | TX | PWM | TACH | VDD5V | 40 | 38 | 36 | 32 | 28 | 26 | 24 | 22 | 18 | 16 | 12 | 10 | 8 | 5V | 37 | 35 | 33 | 31 | 29 | 27 | 23 | 21 | 19 | 15 | 13 | 11 | 7 | 5 | 3 | (DO NOT SHORT) | BAT | POE | 2 | 39 | 1 | DC_IN | PWR BTN | FC REC | SYS RST | AUTO ON | DISABLE | UART TXD | UART RXD | LED | PIN 1 | CAN_RX | CAN_TX | RTC 3V | 5A MAX. | 9V-12V | reComputer J202 V1.0 | + | -
Ref Des/Silkscreen Top: 3V3 | GND | CAN_RX | CAN_TX | PWR BTN | FC REC | SYS RST | AUTO ON | DIS | UART TXD | UART RXD | LED | FAN | 40 | 2 | 39 | 1 | CAM0 | CAM1 | 3V | RTC | ETH | TYPE C | DC | HDMI+DP | USB3.0 | USB2.0 | PWR | LAYER 6 - SECONDARY SIDE - SIGNAL | LAYER 2 - GROUND PLANE | LAYER 1 - PRIMARY SIDE - SIGNAL | LAYER 4 - SPLIT POWER PLANE | LAYER 5 - GROUND PLANE | LAYER 3 - SIGNAL | LAYER# | COPPER WEIGHT | HALF+PLATING | (OZ) | IMPEDANCE CONTROL | +/- 10% | 50ohm SINGLE ENDED | TRACE WIDTH | TRACE WIDTH / SPACE | 85ohm DIFFERENTIAL | 90ohm DIFFERENTIAL | 95ohm DIFFERENTIAL | + | - | 1OZ | 5 | 4.1/4 | 3.1/4.2 | 4.2/6.4 | 3.3/6 | 4/8.8 | LAYER STACK-UP - ALL DIMENSIONS IN INCHES
